# Altium PCB CU-ON-OFF-V2-08-11-18.PcbDoc (part 1 of 14) (continued)
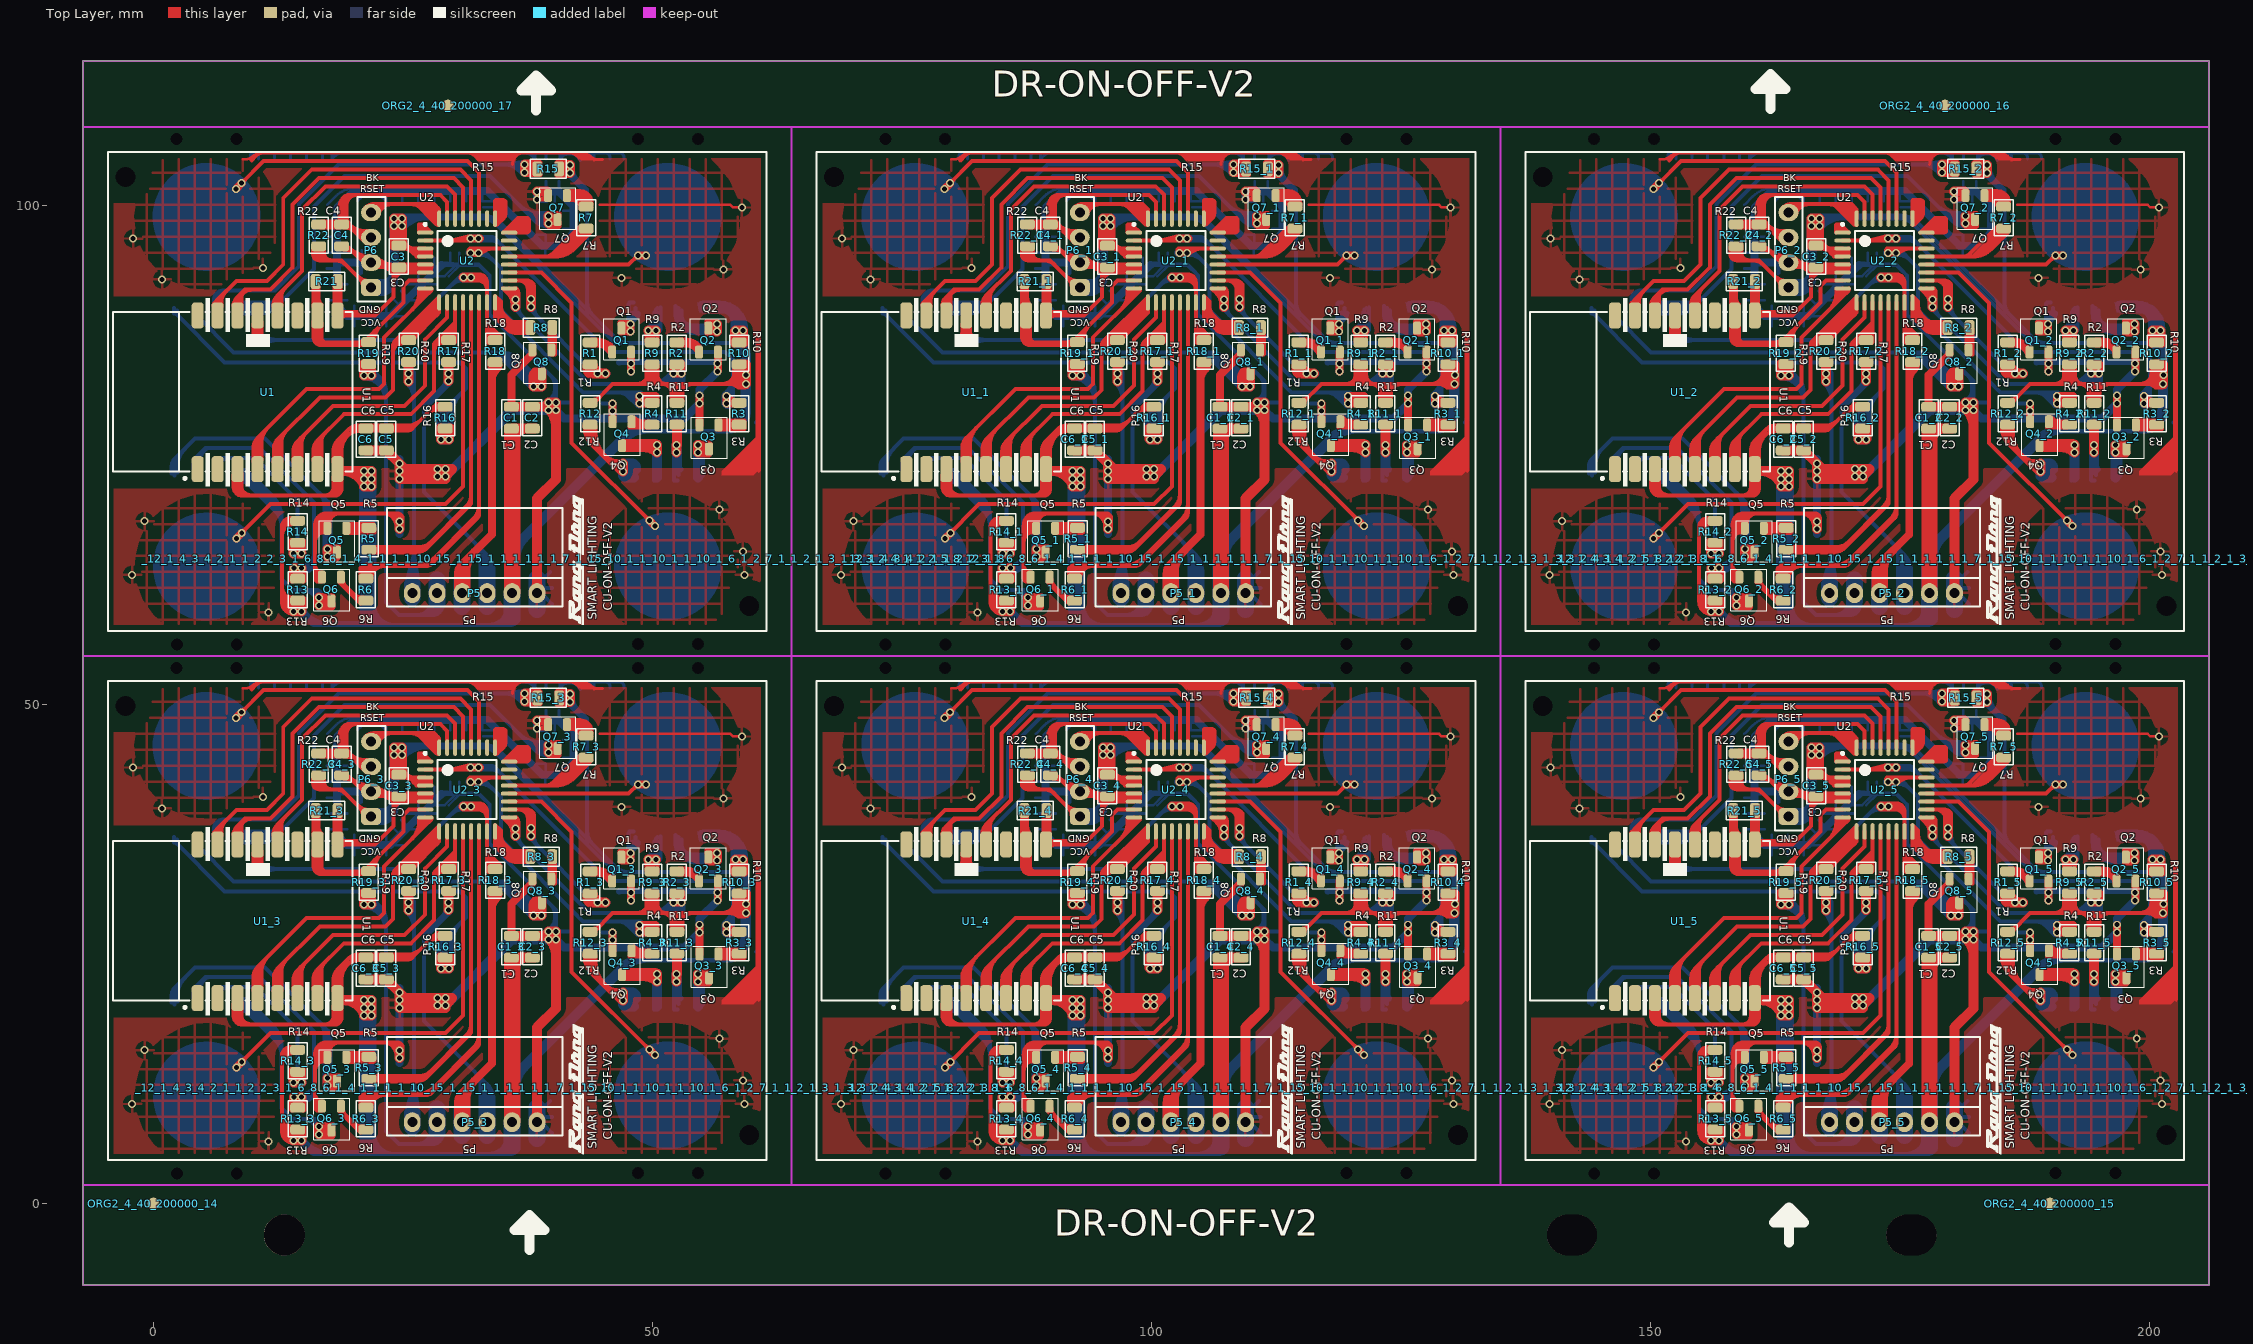
[diagram p0: Top Layer view]
## Components (designator, comment, footprint, x,y, rotation, side; value= is the part's Value field where it differs from the comment) (continued)
R12 "100R" R0805 43.766,79.131 r0 top
R12_1 "100R" R0805 114.766,79.131 r0 top (schematic designator R12)
R12_2 "100R" R0805 185.766,79.131 r0 top (schematic designator R12)
R12_3 "100R" R0805 43.766,26.132 r0 top (schematic designator R12)
R12_4 "100R" R0805 114.766,26.132 r0 top (schematic designator R12)
R12_5 "100R" R0805 185.766,26.132 r0 top (schematic designator R12)
R13 "100R" R0805 14.466,61.506 r180 top
R13_1 "100R" R0805 85.466,61.506 r180 top (schematic designator R13)
R13_2 "100R" R0805 156.466,61.506 r180 top (schematic designator R13)
R13_3 "100R" R0805 14.466,8.507 r180 top (schematic designator R13)
R13_4 "100R" R0805 85.466,8.507 r180 top (schematic designator R13)
R13_5 "100R" R0805 156.466,8.507 r180 top (schematic designator R13)
R14 "100R" R0805 14.466,67.306 r0 top
R14_1 "100R" R0805 85.466,67.306 r0 top (schematic designator R14)
R14_2 "100R" R0805 156.466,67.306 r0 top (schematic designator R14)
R14_3 "100R" R0805 14.466,14.307 r0 top (schematic designator R14)
R14_4 "100R" R0805 85.466,14.307 r0 top (schematic designator R14)
R14_5 "100R" R0805 156.466,14.307 r0 top (schematic designator R14)
R15 "100R" R0805 39.566,103.656 r270 top
R15_1 "100R" R0805 110.566,103.656 r270 top (schematic designator R15)
R15_2 "100R" R0805 181.566,103.656 r270 top (schematic designator R15)
R15_3 "100R" R0805 39.566,50.657 r270 top (schematic designator R15)
R15_4 "100R" R0805 110.566,50.657 r270 top (schematic designator R15)
R15_5 "100R" R0805 181.566,50.657 r270 top (schematic designator R15)
R16 "100R" R0805 29.241,78.731 r0 top
R16_1 "100R" R0805 100.241,78.731 r0 top (schematic designator R16)
R16_2 "100R" R0805 171.241,78.731 r0 top (schematic designator R16)
R16_3 "100R" R0805 29.241,25.732 r0 top (schematic designator R16)
R16_4 "100R" R0805 100.241,25.732 r0 top (schematic designator R16)
R16_5 "100R" R0805 171.241,25.732 r0 top (schematic designator R16)
R17 "2K2" R0805 29.591,85.406 r180 top
R17_1 "2K2" R0805 100.591,85.406 r180 top (schematic designator R17)
R17_2 "2K2" R0805 171.591,85.406 r180 top (schematic designator R17)
R17_3 "2K2" R0805 29.591,32.407 r180 top (schematic designator R17)
R17_4 "2K2" R0805 100.591,32.407 r180 top (schematic designator R17)
R17_5 "2K2" R0805 171.591,32.407 r180 top (schematic designator R17)
R18 "2K2" R0805 34.241,85.406 r180 top
R18_1 "2K2" R0805 105.241,85.406 r180 top (schematic designator R18)
R18_2 "2K2" R0805 176.241,85.406 r180 top (schematic designator R18)
R18_3 "2K2" R0805 34.241,32.407 r180 top (schematic designator R18)
R18_4 "2K2" R0805 105.241,32.407 r180 top (schematic designator R18)
R18_5 "2K2" R0805 176.241,32.407 r180 top (schematic designator R18)
R19 "2K2" R0805 21.566,85.206 r180 top
R19_1 "2K2" R0805 92.566,85.206 r180 top (schematic designator R19)
R19_2 "2K2" R0805 163.566,85.206 r180 top (schematic designator R19)
R19_3 "2K2" R0805 21.566,32.207 r180 top (schematic designator R19)
R19_4 "2K2" R0805 92.566,32.207 r180 top (schematic designator R19)
R19_5 "2K2" R0805 163.566,32.207 r180 top (schematic designator R19)
R20 "2K2" R0805 25.578,85.406 r180 top
R20_1 "2K2" R0805 96.578,85.406 r180 top (schematic designator R20)
R20_2 "2K2" R0805 167.578,85.406 r180 top (schematic designator R20)
R20_3 "2K2" R0805 25.578,32.407 r180 top (schematic designator R20)
R20_4 "2K2" R0805 96.578,32.407 r180 top (schematic designator R20)
R20_5 "2K2" R0805 167.578,32.407 r180 top (schematic designator R20)
R21 "1K" R0805 17.366,92.381 r90 top
R21_1 "1K" R0805 88.366,92.381 r90 top (schematic designator R21)
R21_2 "1K" R0805 159.366,92.381 r90 top (schematic designator R21)
R21_3 "1K" R0805 17.366,39.382 r90 top (schematic designator R21)
R21_4 "1K" R0805 88.366,39.382 r90 top (schematic designator R21)
R21_5 "1K" R0805 159.366,39.382 r90 top (schematic designator R21)
R22 "4K7" R0805 16.566,97.006 r180 top
R22_1 "4K7" R0805 87.566,97.006 r180 top (schematic designator R22)
R22_2 "4K7" R0805 158.566,97.006 r180 top (schematic designator R22)
R22_3 "4K7" R0805 16.566,44.007 r180 top (schematic designator R22)
R22_4 "4K7" R0805 87.566,44.007 r180 top (schematic designator R22)
R22_5 "4K7" R0805 158.566,44.007 r180 top (schematic designator R22)
U1 "TUYA WIFI" "TUYA WIFI" 11.441,81.281 r90 top
U1_1 "TUYA WIFI" "TUYA WIFI" 82.441,81.281 r90 top (schematic designator U1)
U1_2 "TUYA WIFI" "TUYA WIFI" 153.441,81.281 r90 top (schematic designator U1)
U1_3 "TUYA WIFI" "TUYA WIFI" 11.441,28.282 r90 top (schematic designator U1)
U1_4 "TUYA WIFI" "TUYA WIFI" 82.441,28.282 r90 top (schematic designator U1)
U1_5 "TUYA WIFI" "TUYA WIFI" 153.441,28.282 r90 top (schematic designator U1)
U2 "MC9S08PT 16 AVLC" "M9S08PT 16AVLC" 31.441,94.481 r0 top
U2_1 "MC9S08PT 16 AVLC" "M9S08PT 16AVLC" 102.441,94.481 r0 top (schematic designator U2)
U2_2 "MC9S08PT 16 AVLC" "M9S08PT 16AVLC" 173.441,94.481 r0 top (schematic designator U2)
U2_3 "MC9S08PT 16 AVLC" "M9S08PT 16AVLC" 31.441,41.482 r0 top (schematic designator U2)
U2_4 "MC9S08PT 16 AVLC" "M9S08PT 16AVLC" 102.441,41.482 r0 top (schematic designator U2)
U2_5 "MC9S08PT 16 AVLC" "M9S08PT 16AVLC" 173.441,41.482 r0 top (schematic designator U2)

## Footprints (in the part's own frame and the unit in brackets; to place one, negate y for a bottom-side part, rotate by r counter-clockwise, add the part's x,y. Pads: shape width x height; smd on the part's side, far side on the other; paste and mask are expansions set on the pad)
C1815SMD [mm]
  rrect50% 0.8x1.3 smd: 1(0,1.2) 2(-0.95,-1.2) 3(0.95,-1.2)
  silkscreen extent -1.81,-1.97 1.79,2.15
"Jum 4 nho" [mm]
  oval 2x1.7 hole 1: 1(0,3.75) 2(0,1.25) 3(0,-1.25)
  rrect50% 2x1.7 hole 1: 4(0,-3.75)
  silkscreen extent -1.35,-5.18 1.43,5.3
"Jum 6 nam" [mm]
  oval 2x1.7 hole 1: 1(0,6.25) 2(0,3.75) 3(0,1.25) 4(0,-1.25) 5(0,-3.75) 6(0,-6.25)
  silkscreen extent -1.35,-8.8 8.53,8.8
"LED 0805" [mm]
  rrect50% 1.5x1 smd: 1(0,1.1) 2(0,-1.1)
  silkscreen extent -0.95,-2.05 0.95,1.8
"LOGO RD" [mm]
  silkscreen extent -6.62,-1.02 6.39,0.45
"M9S08PT 16AVLC" [mm]
  oval 1.65x0.4 smd: 1(-4.2,2.8) 2(-4.2,2) 3(-4.2,1.2) 4(-4.2,0.4) 5(-4.2,-0.4) 6(-4.2,-1.2) 7(-4.2,-2) 8(-4.2,-2.8) 17(4.2,-2.8) 18(4.2,-2) 19(4.2,-1.2) 20(4.2,-0.4) 21(4.2,0.4) 22(4.2,1.2) 23(4.2,2) 24(4.2,2.8)
  oval 0.4x1.65 smd: 9(-2.8,-4.2) 10(-2,-4.2) 11(-1.2,-4.2) 12(-0.4,-4.2) 13(0.4,-4.2) 14(1.2,-4.2) 15(2,-4.2) 16(2.8,-4.2) 25(2.8,4.2) 26(2,4.2) 27(1.2,4.2) 28(0.4,4.2) 29(-0.4,4.2) 30(-1.2,4.2) 31(-2,4.2) 32(-2.8,4.2)
  silkscreen extent -4.32,-2.95 2.95,3.75, body extent -3.5,-3.5 3.5,3.5, height 1.2
"ORIGIN 1" [mm] "SQUARE 1MM"
  round 1.2 all layers, no hole mask+1: 1(0,0)
R0805 [mm]
  rrect50% 1.5x1 smd: 1(0,1.1) 2(0,-1.1)
  silkscreen extent -0.95,-1.8 0.95,1.8
"tu 0805" [mm]
  rrect50% 1.5x1 smd: 1(0,1.1) 2(0,-1.1)
  silkscreen extent -0.95,-1.8 0.95,1.8
"TUYA WIFI" [mm]
  rrect50% 2.6x1.2 smd: 1(-7.7,7) 2(-7.7,5) 3(-7.7,3) 4(-7.7,1) 5(-7.7,-1) 6(-7.7,-3) 7(-7.7,-5) 8(-7.7,-7) 9(7.7,-7) 10(7.7,-5) 11(7.7,-3) 12(7.7,-1) 13(7.7,1) 14(7.7,3) 15(7.7,5) 16(7.7,7)
  silkscreen extent -8.75,-8.5 8.05,15.5, body extent -7.95,-8.5 8.05,15.5, height 1.2

## Part data
C1 C1_1 C1_2 C1_3 C1_4 C1_5 C2 C2_1 C2_2 C2_3 C2_4 C2_5 C3 C3_1 C3_2 C3_3 C3_4 C3_5 C4 C4_1 C4_2 C4_3 C4_4 C4_5 C5 C5_1 C5_2 C5_3 C5_4 C5_5 C6 C6_1 C6_2 C6_3 C6_4 C6_5: library part Cap, "Capacitor"
D1 D1_1 D1_2 D1_3 D1_4 D1_5 D2 D2_1 D2_2 D2_3 D2_4 D2_5 D3 D3_1 D3_2 D3_3 D3_4 D3_5 D4 D4_1 D4_2 D4_3 D4_4 D4_5 D5 D5_1 D5_2 D5_3 D5_4 D5_5 D6 D6_1 D6_2 D6_3 D6_4 D6_5 D7 D7_1 D7_2 D7_3 D7_4 D7_5 D8 D8_1 D8_2 D8_3 D8_4 D8_5: library part LED0, "Typical INFRARED GaAs LED"
ORG2_4_40_200000_14 ORG2_4_40_200000_15 ORG2_4_40_200000_16 ORG2_4_40_200000_17: library part ORIGIN
P5 P5_1 P5_2 P5_3 P5_4 P5_5: "Header, 6-Pin"
P6 P6_1 P6_2 P6_3 P6_4 P6_5: library part "Header 4", "Header, 4-Pin"
Q1 Q1_1 Q1_2 Q1_3 Q1_4 Q1_5 Q2 Q2_1 Q2_2 Q2_3 Q2_4 Q2_5 Q3 Q3_1 Q3_2 Q3_3 Q3_4 Q3_5 Q4 Q4_1 Q4_2 Q4_3 Q4_4 Q4_5 Q5 Q5_1 Q5_2 Q5_3 Q5_4 Q5_5 Q6 Q6_1 Q6_2 Q6_3 Q6_4 Q6_5 Q7 Q7_1 Q7_2 Q7_3 Q7_4 Q7_5 Q8 Q8_1 Q8_2 Q8_3 Q8_4 Q8_5: library part npn, "NPN Bipolar Transistor"
R1 R1_1 R1_2 R1_3 R1_4 R1_5 R2 R2_1 R2_2 R2_3 R2_4 R2_5 R3 R3_1 R3_2 R3_3 R3_4 R3_5 R4 R4_1 R4_2 R4_3 R4_4 R4_5 R5 R5_1 R5_2 R5_3 R5_4 R5_5 R6 R6_1 R6_2 R6_3 R6_4 R6_5 R7 R7_1 R7_2 R7_3 R7_4 R7_5 R8 R8_1 R8_2 R8_3 R8_4 R8_5 R9 R9_1 R9_2 R9_3 R9_4 R9_5 R10 R10_1 R10_2 R10_3 R10_4 R10_5 R11 R11_1 R11_2 R11_3 R11_4 R11_5 R12 R12_1 R12_2 R12_3 R12_4 R12_5 R13 R13_1 R13_2 R13_3 R13_4 R13_5 R14 R14_1 R14_2 R14_3 R14_4 R14_5 R15 R15_1 R15_2 R15_3 R15_4 R15_5 R16 R16_1 R16_2 R16_3 R16_4 R16_5 R17 R17_1 R17_2 R17_3 R17_4 R17_5 R18 R18_1 R18_2 R18_3 R18_4 R18_5 R19 R19_1 R19_2 R19_3 R19_4 R19_5 R20 R20_1 R20_2 R20_3 R20_4 R20_5 R21 R21_1 R21_2 R21_3 R21_4 R21_5 R22 R22_1 R22_2 R22_3 R22_4 R22_5: library part Res, "Resistor"
U2 U2_1 U2_2 U2_3 U2_4 U2_5: library part "M9S08PT 16AVLC"

## Free pads (board coordinates)
  round 4.1 hole 4.1: 0(13.125,-3.149)
  oval 5x4 hole 4.1 slot 5 at 0 deg: 0(142.125,-3.149) 0(176.125,-3.149)
  round 0 hole 2: 1(59.7,6.851) 1(59.7,59.85) 1(130.7,6.851) 1(130.7,59.85) 1(201.7,6.851) 1(201.7,59.85) 4(-2.8,49.851) 4(-2.8,102.85) 4(68.2,49.851) 4(68.2,102.85) 4(139.2,49.851) 4(139.2,102.85)
  rrect50% 0x0 hole 1.2 mask+0.127: 5(2.333,53.65) 5(2.333,106.649) 5(8.358,3.025) 5(8.358,56.024) 5(48.558,53.65) 5(48.558,106.649) 5(54.558,3.05) 5(54.558,56.049) 5(73.333,53.65) 5(73.333,106.649) 5(79.358,3.025) 5(79.358,56.024) 5(119.558,53.65) 5(119.558,106.649) 5(125.558,3.05) 5(125.558,56.049) 5(144.333,53.65) 5(144.333,106.649) 5(150.358,3.025) 5(150.358,56.024) 5(190.558,53.65) 5(190.558,106.649) 5(196.558,3.05) 5(196.558,56.049) 6(2.358,3.025) 6(2.358,56.024) 6(8.333,53.65) 6(8.333,106.649) 6(48.558,3.05) 6(48.558,56.049) 6(54.558,53.65) 6(54.558,106.649) 6(73.358,3.025) 6(73.358,56.024) 6(79.333,53.65) 6(79.333,106.649) 6(119.558,3.05) 6(119.558,56.049) 6(125.558,53.65) 6(125.558,106.649) 6(144.358,3.025) 6(144.358,56.024) 6(150.333,53.65) 6(150.333,106.649) 6(190.558,3.05) 6(190.558,56.049) 6(196.558,53.65) 6(196.558,106.649)

## Via types
v1: diameter 0.8, hole 0.5, Top Layer to Bottom Layer, 702 vias

## Nets (pads, with @x,y where several pads share a name; then routed paths per layer and width w, separated by ;. In a path a pad name is that pad's centre, name@x,y a point inside that pad or via, vN(x,y) a via of type N, cw(c..) or ccw(c..) an arc to the next point about the centre after c; other vN are vias at no path point)
BKGD: P6.1 U2.32 | length 12.2
  Top Layer w0.4: P6.1@21.577,99.67 cw(c22.69,98.557) 22.69,100.131 ; P6.1@21.591,99.681 22.041,100.131 28.116,100.131 28.641,99.606 U2.32@28.641,98.681 ; P6.1@21.86,99.387 cw(c23.656,97.591) 23.656,100.131 ; 28.429,99.818 cw(c27.917,99.306) U2.32@28.641,99.306
BT1: U1.6 U2.10 | length 28.7
  Top Layer w0.4: U1.6@14.158,74.564 ccw(c13.475,75.247) 14.441,75.247 ccw(c15.407,75.247) U1.6@14.724,74.564 ; U1.6@14.691,73.581 14.441,73.831 14.441,76.356 18.008,79.923 25.183,79.923 27.241,81.981 27.241,86.581 29.441,88.781 U2.10@29.441,90.281
BT2: U1.15 U2.28 | length 41.9
  Top Layer w0.4: U1.15@6.179,89.984 ccw(c5.684,90.556) 6.441,90.556 ; U1.15@6.691,88.981 6.441,89.231 6.441,90.556 ; U1.15@6.703,89.984 cw(c7.198,90.556) 6.441,90.556 ; U2.28@31.841,98.681 31.841,102.506 30.761,103.586 15.871,103.586 13.016,100.731 13.016,94.081 11.366,92.431 8.316,92.431 6.441,90.556
BT3: U1.14 U2.29 | length 38.2
  Top Layer w0.4: U1.14@8.158,89.964 ccw(c7.475,90.647) 8.441,90.647 ccw(c9.407,90.647) U1.14@8.724,89.964 ; U1.14@8.691,88.981 8.441,89.231 8.441,90.806 9.191,91.556 11.716,91.556 13.966,93.806 13.966,100.106 16.601,102.741 30.106,102.741 31.041,101.806 U2.29@31.041,98.681
BT4: U1.4 U2.8 | length 30.9
  Top Layer w0.4: U1.4@10.158,74.564 ccw(c9.475,75.247) 10.441,75.247 ccw(c11.407,75.247) U1.4@10.724,74.564 ; U1.4@10.691,73.581 10.441,73.831 10.441,76.681 15.366,81.606 22.616,81.606 23.116,82.106 23.116,86.756 27.241,90.881 U2.8@27.241,91.681
CT1: R17.2 U1.7 U2.11 | length 29.9
  Top Layer w0.4: U1.7@16.158,74.564 ccw(c15.475,75.247) 16.441,75.247 ccw(c17.407,75.247) U1.7@16.724,74.564 ; U1.7@16.691,73.581 16.441,73.831 16.441,76.431 19.091,79.081 25.791,79.081 28.116,81.406 28.116,85.956 28.591,86.431 ; 28.798,86.431 cw(c28.798,85.963) R17.2@29.129,86.294 ; R17.2@28.966,86.431 28.591,86.431 ; R17.2@29.101,86.686 cw(c28.591,87.068) 28.591,86.431 ; R17.2@29.379,86.718 ccw(c28.867,87.23) 29.591,87.23 ccw(c30.315,87.23) R17.2@29.803,86.718 ; R17.2@29.591,86.506 29.591,87.631 30.241,88.281 U2.11@30.241,90.281
CT2: R18.2 U1.13 U2.15 | length 45.6
  Top Layer w0.4: v1@9.9,86.647 ccw(c8.592,87.955) U1.13@10.441,87.955 ; U1.13@10.158,87.998 cw(c9.475,87.315) 10.441,87.315 cw(c11.407,87.315) U1.13@10.724,87.998 ; v1@10.182,86.365 ccw(c9.558,86.989) 10.441,86.989 ; v1@10.222,86.442 cw(c10.694,86.198) v1@10.89,86.692 ; v1@10.416,86.481 10.441,86.456 U1.13@10.441,88.981 ; 10.441,86.928 ccw(c11.238,86.928) v1@10.675,86.365 ; U1.13@10.441,87.894 ccw(c12.204,87.894) v1@10.957,86.647 ; v1(31.066,92.781) v1(31.841,92.781) 32.941,92.781 33.441,92.281 U2.15@33.441,90.281 33.441,88.206 34.241,87.406 R18.2@34.241,86.306 ; v1@31.207,92.64 cw(c31.549,92.298) 31.549,92.781 cw(c31.549,93.264) v1@31.207,92.922 ; v1@31.228,92.663 cw(c31.414,92.528) v1@31.473,92.75 ; v1@31.228,92.899 ccw(c31.414,93.034) v1@31.473,92.812 ; v1@31.7,92.64 ccw(c31.358,92.298) 31.358,92.781 ccw(c31.358,93.264) v1@31.7,92.922 ; v1@31.982,92.64 cw(c32.324,92.298) 32.324,92.781 cw(c32.324,93.264) v1@31.982,92.922 ; R18.2@34.029,86.718 ccw(c33.517,87.23) 34.241,87.23 ccw(c34.965,87.23) R18.2@34.453,86.718
  Bottom Layer w0.4: v1@10.666,86.506 24.366,86.506 30.641,92.781 v1(31.066,92.781) ; v1@10.957,86.365 cw(c11.299,86.023) 11.299,86.506 cw(c11.299,86.989) v1@10.957,86.647
  other v1: 10.041,86.506 10.816,86.506
CT3: R19.2 R21.1 U1.10 U2.7 | length 29.5
  Top Layer w0.4: R21.1@16.054,91.919 cw(c15.542,91.407) 16.266,91.407 cw(c16.99,91.407) R21.1@16.478,91.919 ; 16.266,86.893 cw(c17.829,86.893) U1.10@16.724,87.998 ; 16.266,91.069 ccw(c17.829,91.069) U1.10@16.724,89.964 ; R21.1@16.266,91.731 16.266,86.656 16.891,86.031 20.791,86.031 ; 19.928,86.031 ccw(c19.928,87.694) R19.2@21.104,86.518 ; R19.2@20.894,86.031 ccw(c20.894,86.728) R19.2@21.387,86.235 ; R19.2@21.143,86.061 ccw(c20.985,85.837) 20.791,86.031 ; R19.2@21.316,86.306 cw(c21.919,86.306) R19.2@21.493,86.733 ; R19.2@21.716,86.306 cw(c23.285,86.306) 22.176,87.416 ; R19.2@22.116,86.306 cw(c24.651,86.306) 22.858,88.098 ; U2.7@27.241,92.481 25.591,92.481 25.041,91.931 25.041,90.281 20.791,86.031
CT4: R20.2 U1.5 U2.9 | length 32.2
  Top Layer w0.4: U1.5@12.158,74.564 ccw(c11.475,75.247) 12.441,75.247 ccw(c13.407,75.247) U1.5@12.724,74.564 ; U1.5@12.691,73.581 12.441,73.831 12.441,76.531 16.674,80.764 23.249,80.764 24.016,81.531 24.016,85.931 24.491,86.406 ; R20.2@25.095,86.695 cw(c24.491,87.183) 24.491,86.406 ; R20.2@25.828,86.806 ccw(c25.828,87.681) 26.447,87.062 ; R20.2@26.128,86.506 cw(c26.702,86.506) 26.296,86.911 ; 28.358,88.973 ccw(c27.675,89.656) U2.9@28.641,89.656 ; U2.9@28.641,90.281 28.641,89.256 25.791,86.406 24.491,86.406
GND: C1.1 C2.1 C3.2 C4.2 C5.2 C6.2 P5.6 P6.3 Q1.3 Q2.3 Q3.3 Q4.3 Q5.3 Q6.3 Q7.3 Q8.3 R21.2 U1.9 U2.5 U2.6 | length 359.7
  Top Layer w0.4: 16.603,67.418 cw(c17.187,66.834) Q5.3@17.522,67.589 ; Q6.3@16.875,63.205 cw(c16.803,64.068) 16.191,63.456 ; Q6.3@16.891,62.756 16.191,63.456 ; Q5.3@17.36,67.223 ccw(c16.934,66.263) 16.191,67.006 ; U1.9@18.158,89.964 ccw(c17.415,90.707) 18.466,90.707 ; R21.2@18.254,91.919 cw(c17.742,91.407) 18.466,91.407 cw(c19.19,91.407) R21.2@18.678,91.919 ; U1.9@18.441,88.981 18.943,89.348 21.988,89.348 ccw(c21.988,90.784) 22.991,89.756 ccw(c21.988,90.784) 23.003,89.769 ; 18.466,90.586 ccw(c19.346,90.586) U1.9@18.724,89.964 ; R21.2@18.466,92.381 18.466,88.981 22.216,88.981 23.003,89.769 ; U1.9@18.724,88.698 cw(c19.407,88.015) 19.407,88.981 cw(c19.407,89.947) U1.9@18.724,89.264 ; C4.2@19.116,95.606 cw(c19.116,94.037) 20.226,95.146 ; C4.2@19.141,95.906 19.466,95.906 21.691,93.681 P6.3@21.816,94.281 ; C4.2@19.575,95.797 ccw(c21.666,97.888) P6.3@21.666,94.931 ; 20.258,95.114 ccw(c21.666,96.523) P6.3@21.666,94.531 ; P6.3@21.741,94.056 24.116,94.056 C3.2@24.591,93.781 ; C6.2@21.753,75.244 cw(c22.084,74.913) 22.084,75.381 ; C6.2@21.753,75.668 ccw(c22.446,76.361) 22.446,75.381 ; P6.3@22.143,94.458 ccw(c23.113,95.428) 23.113,94.056 ; 22.186,75.381 ccw(c22.186,76.361) C5.2@22.879,75.668 ; P6.3@22.424,93.832 cw(c22.703,92.193) 24.131,93.045 ; P6.3@22.426,93.821 cw(c22.992,93.255) 22.992,94.056 ; P6.3@22.426,94.741 ccw(c24.078,96.393) C3.2@24.078,94.056 ; 22.548,75.381 cw(c22.548,74.913) C5.2@22.879,75.244 ; 22.953,94.056 cw(c22.953,92.393) C3.2@24.129,93.569 ; C3.2@23.918,94.056 cw(c23.918,93.358) C3.2@24.412,93.852 ; 24.066,92.393 cw(c25.729,92.393) C3.2@24.553,93.569 ; C3.2@24.066,93.359 cw(c24.763,93.359) C3.2@24.27,93.852 ; 24.165,69.082 cw(c23.44,68.356) 24.466,68.356 23.666,69.156 ; C3.2@24.241,93.706 24.616,94.081 U2.5@27.241,94.081 ; v1@24.525,67.722 ccw(c24.183,68.064) 24.666,68.064 ccw(c25.149,68.064) v1@24.807,67.722 ; v1@24.525,68.215 cw(c24.183,67.873) 24.666,67.873 cw(c25.149,67.873) v1@24.807,68.215 ; v1@24.525,72.747 ccw(c24.183,73.089) 24.666,73.089 ccw(c25.149,73.089) v1@24.807,72.747 ; v1@24.525,73.522 ccw(c24.183,73.864) 24.666,73.864 ccw(c25.149,73.864) 24.807,73.522 ccw(c26.356,75.071) 26.356,72.881 ; v1@24.525,74.015 cw(c24.183,73.673) 24.666,73.673 cw(c25.149,73.673) v1@24.807,74.015 ; v1@24.548,68.194 cw(c24.413,68.008) v1@24.635,67.949 ; v1@24.548,73.994 cw(c24.413,73.808) v1@24.635,73.749 ; v1(24.666,68.356) 24.666,68.581 24.091,69.156 ; v1(24.666,72.606) v1@24.666,72.881 ; v1(24.666,73.381) v1@24.891,73.606 ; v1@24.695,73.13 cw(c24.445,72.743) v1@24.836,72.501 ; v1@24.697,67.949 cw(c24.919,68.008) v1@24.784,68.194 ; v1@24.697,73.749 cw(c24.919,73.808) v1@24.784,73.994 ; v1@24.733,72.831 v1@28.391,72.831 ; C3.2@24.77,93.852 cw(c25.324,93.298) C3.2@25.324,94.081 ; v1@24.807,72.465 cw(c25.813,71.459) 25.813,72.881 ; v1@24.953,68.619 24.416,69.156 24.091,69.156 ; 25.216,73.606 25.846,72.976 ; 25.39,72.881 cw(c25.39,74.105) v1@24.525,73.24 ; 26.29,94.081 ccw(c26.29,92.332) 25.053,93.569 26.212,93.574 ; 27.24,93.578 26.212,93.574 ; U2.6@27.841,93.306 27.865,94.061 27.866,94.081 U2.5@27.241,94.081 ; 27.841,93.831 27.496,93.826 ; 27.887,72.881 cw(c27.887,72.227) v1@28.35,72.69 ; v1@28.166,72.606 v1@28.391,72.831 ; v1@28.441,73.556 v1(28.491,73.606) ; C1.1@35.654,80.043 ccw(c35.142,80.555) 35.866,80.555 ccw(c36.59,80.555) C1.1@36.078,80.043 ; C1.1@36.328,79.619 cw(c36.84,79.107) 36.84,79.831 cw(c36.84,80.555) C1.1@36.328,80.043 ; 37.501,84.641 ccw(c36.861,85.281) Q8.3@37.766,85.281 ; C2.1@37.504,79.619 ccw(c36.992,79.107) 36.992,79.831 ccw(c36.992,80.555) C2.1@37.504,80.043 ; Q8.3@37.966,85.106 Q8.3@37.966,85.531 ; P5.6@37.981,61.766 ccw(c36.872,62.875) 38.441,62.875 ccw(c40.01,62.875) P5.6@38.901,61.766 ; C2.1@38.057,79.831 ccw(c38.057,81.765) v1@39.425,80.397 ; C2.1@38.238,79.831 cw(c38.238,78.153) 39.425,79.34 cw(c37.876,77.791) 40.066,77.791 ; v1(38.416,100.606) 39.691,100.606 39.541,100.756 Q7.3@39.541,100.981 ; C2.1@38.428,79.619 cw(c38.94,79.107) 38.94,79.831 cw(c38.94,80.555) C2.1@38.428,80.043 ; v1@38.525,100.774 ccw(c38.89,101.336) 39.064,100.688 ; v1@38.557,100.465 cw(c38.899,100.123) 38.899,100.606 cw(c38.899,101.089) v1@38.557,100.747 ; v1@38.756,100.606 ccw(c38.756,101.516) Q7.3@39.4,100.872 ; 39.023,79.831 ccw(c39.023,80.799) v1@39.707,80.115 ; 39.204,79.831 cw(c39.204,79.119) 39.707,79.622 cw(c38.842,78.757) 40.066,78.757 ; v1@39.369,80.289 ccw(c39.887,80.203) v1@39.515,79.832 ; v1@39.679,79.316 cw(c39.852,79.067) 40.066,79.281 cw(c40.832,80.047) v1@39.763,80.223 ; 40.066,78.334 cw(c41.488,78.334) v1@40.482,79.34 ; v1@40.27,79.668 cw(c40.019,80.334) v1@39.516,79.831 ; 40.341,79.006 v1@39.516,79.831 ; v1@45.867,79.258 cw(c45.506,78.897) Q4.3@46.016,78.897 ; v1@45.867,79.54 ccw(c45.506,79.901) v1@46.016,79.901 ; v1@45.867,80.033 cw(c45.506,79.672) v1@46.016,79.672 ; Q4.3@45.875,78.722 ccw(c45.533,79.064) 46.016,79.064 ccw(c46.499,79.064) Q4.3@46.157,78.722 ; v1@45.898,79.232 cw(c45.772,79.04) Q4.3@45.994,78.981 ; v1(46.008,80.174) v1@46.016,80.166 ; Q4.3@46.016,78.936 cw(c46.471,78.936) v1@46.149,79.258 ; v1@46.016,79.711 cw(c46.471,79.711) v1@46.149,80.033 ; v1@46.016,79.862 ccw(c46.471,79.862) v1@46.149,79.54 ; v1@46.044,79.757 cw(c46.284,79.821) v1@46.131,80.016 ; Q4.3@46.045,78.955 cw(c46.32,79.028) v1@46.137,79.246 ; v1@47.717,83.515 ccw(c47.356,83.876) v1@47.866,83.876 ; v1@47.717,84.008 cw(c47.356,83.647) v1@47.866,83.647 ; v1@47.717,84.29 ccw(c47.356,84.651) 47.866,84.651 ; Q1.3@47.725,84.915 cw(c47.383,84.573) 47.866,84.573 cw(c48.349,84.573) Q1.3@48.007,84.915 ; v1@47.866,83.685 cw(c48.322,83.685) v1@47.999,84.008 ; v1@47.866,83.838 ccw(c48.322,83.838) v1@47.999,83.515 ; 47.866,84.613 ccw(c48.322,84.613) v1@47.999,84.29 ; v1@47.894,83.791 ccw(c48.134,83.727) v1@47.981,83.532 ; Q3.3@54.575,78.397 ccw(c54.233,78.739) 54.716,78.739 ccw(c55.199,78.739) Q3.3@54.857,78.397 ; v1@54.579,80.019 cw(c54.247,79.687) 54.716,79.687 ; v1@54.579,80.302 ccw(c54.247,80.634) v1@54.716,80.634 ; v1@54.579,80.794 cw(c54.247,80.462) v1@54.716,80.462 ; v1@54.6,80.776 cw(c54.456,80.585) v1@54.686,80.523 ; 54.716,79.668 cw(c55.212,79.668) v1@54.861,80.019 ; v1@54.716,80.443 cw(c55.212,80.443) v1@54.861,80.794 ; v1@54.716,80.653 ccw(c55.212,80.653) v1@54.861,80.302 ; v1@54.716,80.932 v1(54.72,80.936) ; v1@56.404,83.515 ccw(c56.012,83.908) v1@56.566,83.908 ; v1@56.404,84.008 cw(c56.012,83.616) v1@56.566,83.616 ; v1@56.404,84.29 ccw(c56.012,84.683) Q2.3@56.566,84.683 ; Q2.3@56.425,84.915 cw(c56.083,84.573) 56.566,84.573 cw(c57.049,84.573) Q2.3@56.707,84.915 ; v1(56.545,83.374) v1@56.566,83.395 ; v1@56.566,83.717 cw(c56.977,83.717) v1@56.686,84.008 ; v1@56.566,83.806 ccw(c56.977,83.806) v1@56.686,83.515 ; 56.566,84.581 ccw(c56.977,84.581) v1@56.686,84.29 ; v1@56.59,83.715 cw(c56.861,83.788) v1@56.677,83.998 ; 16.191,63.456 16.191,67.006 ; 16.191,67.006 17.216,68.031 17.466,68.031 17.466,68.806 17.816,69.156 23.666,69.156 ; 23.003,89.769 24.066,90.831 24.066,92.161 ; 23.666,69.156 24.091,69.156 ; 24.066,92.161 cw(c25.261,92.161) 24.416,93.006 cw(c25.08,92.342) 25.08,93.281 U2.6@27.241,93.281 U2.6@27.241,93.414 ; 24.066,92.161 24.066,93.681 C3.2@24.591,93.781 ; v1@24.525,73.24 cw(c24.183,72.898) v1@24.666,72.898 ; v1@24.525,73.24 cw(c24.183,72.898) v1@24.666,72.898 ; v1@24.525,73.24 cw(c24.183,72.898) v1@24.666,72.898 ; v1@24.525,73.24 cw(c24.183,72.898) v1@24.666,72.898 ; v1@24.525,73.24 cw(c24.183,72.898) v1@24.666,72.898 ; v1@24.548,72.768 ccw(c24.413,72.954) v1@24.635,73.013 ; v1@24.548,72.768 ccw(c24.413,72.954) v1@24.635,73.013 ; v1@24.548,72.768 ccw(c24.413,72.954) v1@24.635,73.013 ; v1@24.548,72.768 ccw(c24.413,72.954) v1@24.635,73.013 ; v1@24.548,72.768 ccw(c24.413,72.954) v1@24.635,73.013 ; C3.2@24.591,93.781 27.306,93.781 ; C3.2@24.591,93.781 25.064,93.752 26.212,93.574 ; v1@24.666,72.898 cw(c25.149,72.898) v1@24.807,73.24 ; v1@24.666,72.898 cw(c25.149,72.898) v1@24.807,73.24 ; v1@24.666,72.898 cw(c25.149,72.898) v1@24.807,73.24 ; v1@24.666,72.898 cw(c25.149,72.898) v1@24.807,73.24 ; v1@24.666,72.898 cw(c25.149,72.898) v1@24.807,73.24 ; v1@24.697,73.013 ccw(c24.919,72.954) v1@24.784,72.768 ; v1@24.697,73.013 ccw(c24.919,72.954) v1@24.784,72.768 ; v1@24.697,73.013 ccw(c24.919,72.954) v1@24.784,72.768 ; v1@24.697,73.013 ccw(c24.919,72.954) v1@24.784,72.768 ; v1@24.697,73.013 ccw(c24.919,72.954) v1@24.784,72.768 ; 26.212,93.574 U2.6@27.241,93.414 ; U2.6@27.241,93.414 27.261,93.411 U2.6@27.641,93.352 ; U2.6@27.241,93.414 27.241,93.578 27.368,93.506 U2.6@27.641,93.352 ; U2.5@27.241,94.081 27.496,93.826 ; 27.306,93.781 27.541,93.781 27.496,93.826 ; 27.306,93.781 27.492,93.656 27.641,93.556 U2.6@27.641,93.352 ; 27.306,93.781 27.245,93.822 27.496,93.826 ; v1@28.391,72.831 28.441,72.881 v1(28.491,72.831) v1@28.391,72.831
  Top Layer w0.8: C1.1@35.866,79.831 35.866,83.006 Q8.3@37.966,85.106 ; Q4.3@46.016,78.331 v1@46.016,80.166 ; v1(47.858,83.374) v1(47.858,84.149) Q1.3@47.858,85.298 ; Q3.3@54.716,78.006 54.716,79.379 v1@54.716,80.932 ; v1@56.566,83.395 Q2.3@56.566,85.306
  Top Layer w1: C6.2@21.291,75.456 C5.2@23.341,75.456 v1(24.666,74.156) ; v1(24.666,67.581) v1(24.666,68.356) ; v1(24.666,72.606) v1@28.166,72.606 ; v1@24.666,72.881 v1(24.666,73.381) v1(24.666,74.156) ; v1@24.891,73.606 25.216,73.606 ; v1@28.441,72.881 v1@28.441,73.556 ; v1(28.491,72.831) v1(29.266,72.831) 29.65,73.272 29.941,73.606 v1(29.266,73.606) v1(28.491,73.606) 25.216,73.606 ; C1.1@35.866,79.831 C2.1@37.966,79.831 v1@39.516,79.831 ; v1(38.416,101.381) Q7.3@39.441,101.381 ; P5.6@38.441,61.156 38.441,70.656 40.341,72.556 40.341,79.006 ; v1(39.566,80.256) v1(40.341,80.256) v1(40.341,79.481) 40.341,79.006 ; 40.341,78.956 40.341,79.006 ; v1(24.666,74.156) 25.216,73.606
  Bottom Layer w0.254: 37.312,105.205 cw(c37.209,104.06) 38.244,104.563 ; 40.777,104.654 cw(c41.722,104) 42.757,104.503
  Bottom Layer w0.3: 38.225,104.65 38.225,105.165 ; 40.75,104.65 40.75,105.175
  Bottom Layer w0.4: v1@28.632,72.69 cw(c28.974,72.348) 28.974,72.831 cw(c28.974,73.314) v1@28.632,72.972 ; v1@28.653,72.713 cw(c28.839,72.578) v1@28.898,72.8 ; v1@28.653,72.949 ccw(c28.839,73.084) v1@28.898,72.862 ; 28.891,94.056 32.616,94.056 33.666,93.006 33.666,89.081 40.341,82.406 v1(40.341,80.256) v1(40.341,79.481) ; v1@29.125,72.69 ccw(c28.783,72.348) 28.783,72.831 ccw(c28.783,73.314) 29.125,72.972 ccw(c28.783,73.314) 29.266,73.314 ccw(c29.749,73.314) v1@29.407,72.972 ; v1@29.125,73.465 cw(c28.783,73.123) 29.266,73.123 cw(c29.749,73.123) v1@29.407,73.465 ; v1@29.148,73.444 cw(c29.013,73.258) v1@29.235,73.199 ; v1(29.266,72.831) 29.941,73.606 ; v1@29.297,73.199 cw(c29.519,73.258) v1@29.384,73.444 ; P5.6@38.566,61.681 39.916,61.681 ; v1(47.858,84.149) 47.971,84.262 56.432,84.262 v1(56.545,84.149)
  Bottom Layer w0.8: P6.3@21.816,94.281 18.491,94.281 18.391,94.381 ; 24.666,67.106 v1(24.666,67.581) v1(24.666,68.356) v1(24.666,72.606) v1(24.666,73.381) 24.666,74.606 ; 28.891,94.056 23.741,88.906 19.416,88.906 18.391,89.931 18.391,94.381 ; v1(38.416,100.606) v1(38.416,101.381) 40.641,101.381 42.116,99.906 42.116,97.231 40.841,95.956 38.966,95.956 33.491,101.431 20.066,101.431 18.391,99.756 18.391,94.381 ; v1(40.341,79.481) 41.166,78.656 53.215,78.656 v1(54.72,80.161) v1(54.72,80.936) 54.72,81.549 v1(56.545,83.374) v1(56.545,84.149) ; 46.008,78.673 v1(46.008,79.399) v1(46.008,80.174) ; v1(47.858,83.374) v1(47.858,84.149)
  Bottom Layer w1: 29.941,73.606 v1(29.266,73.606) v1(28.491,73.606) v1(28.491,72.831) v1(29.266,72.831) 35.916,79.481 v1(39.566,79.481) ; v1(40.341,79.481) v1(39.566,79.481) ; v1(40.341,80.256) v1(39.566,80.256) v1(39.566,79.481)
  Bottom Layer w1.7: 38.441,59.531 P5.6@38.441,61.156 38.441,62.631
"LED D1": R1.2 U2.18 | length 27.8
  Top Layer w0.4: U2.18@35.641,92.481 37.291,92.481 37.816,91.956 v1(37.816,89.831) ; v1@37.675,89.972 ccw(c37.333,90.314) 37.816,90.314 ccw(c38.299,90.314) v1@37.957,89.972 ; v1@37.675,90.465 cw(c37.333,90.123) 37.816,90.123 cw(c38.299,90.123) v1@37.957,90.465 ; v1@37.675,90.747 ccw(c37.333,91.089) 37.816,91.089 ccw(c38.299,91.089) v1@37.957,90.747 ; v1@37.698,89.993 ccw(c37.563,90.179) v1@37.785,90.238 ; v1@37.847,90.238 ccw(c38.069,90.179) v1@37.934,89.993 ; R1.2@43.613,83.823 cw(c43.453,83.554) 43.766,83.554 ; R1.2@43.766,84.081 43.766,83.554 ; R1.2@43.919,83.823 ccw(c44.079,83.554) 43.766,83.554 ; v1@44.158,83.162 43.766,83.554 ; v1@44.466,83.363 cw(c44.284,84.072) 43.766,83.554
  Bottom Layer w0.4: v1@37.675,89.972 ccw(c37.333,90.314) 37.816,90.314 ccw(c38.299,90.314) v1@37.957,89.972 ; v1@37.675,90.465 cw(c37.333,90.123) 37.816,90.123 cw(c38.299,90.123) v1@37.957,90.465 ; v1@37.698,89.993 ccw(c37.563,90.179) v1@37.785,90.238 ; v1(37.816,90.606) 37.816,89.506 44.158,83.164 v1@44.158,83.162 ; v1@37.847,90.238 ccw(c38.069,90.179) v1@37.934,89.993 ; v1@38.016,89.831 ccw(c39.283,89.831) 38.387,88.935 ; 43.555,83.767 ccw(c44.516,84.728) v1@44.516,83.369 ; v1(44.516,83.169) v1(45.291,83.169) ; v1@44.657,83.028 cw(c44.999,82.686) 44.999,83.169 cw(c44.999,83.652) v1@44.657,83.31 ; v1@44.884,83.138 cw(c44.943,82.916) v1@45.129,83.051 ; v1@44.884,83.2 ccw(c44.943,83.422) v1@45.129,83.287 ; v1@45.149,83.028 ccw(c44.808,82.686) 44.808,83.169 ccw(c44.808,83.652) v1@45.149,83.31
  Bottom Layer w0.8: v1(44.516,83.169) v1@45.416,83.181
"LED D2": R4.2 U2.22 | length 42.9
  Top Layer w0.4: v1@31.791,95.271 32.566,95.271 32.976,95.681 U2.22@35.641,95.681 ; v1@31.932,95.105 cw(c32.334,94.703) v1@32.334,95.271 ; v1@31.932,95.387 ccw(c32.213,95.668) v1@32.213,95.271 ; v1@32.023,95.271 cw(c32.023,94.703) v1@32.425,95.105 ; v1@32.127,95.294 ccw(c32.202,95.575) v1@32.418,95.38 ; v1@32.144,95.271 ccw(c32.144,95.668) 32.425,95.387 cw(c33.133,94.679) 33.133,95.681 ; v1@32.566,95.446 ccw(c32.566,95.868) 32.865,95.57 ; v1@32.707,95.105 cw(c34.099,93.713) 34.099,95.681 ; v1@32.766,95.246 cw(c33.309,95.246) 32.925,95.63 ; v1(48.695,80.137) 48.788,80.231 R4.2@49.966,80.231 ; v1@48.795,80.311 ccw(c49.013,80.689) 49.126,80.267 ; v1@48.836,79.996 cw(c49.403,79.429) R4.2@49.403,80.231 ; v1@48.868,80.037 cw(c49.326,79.773) 49.189,80.284 ; R4.2@49.504,80.019 ccw(c48.992,79.507) 48.992,80.231 ccw(c48.992,80.955) R4.2@49.504,80.443
  Bottom Layer w0.4: v1(31.791,95.246) 33.301,95.246 34.816,93.731 34.816,89.506 43.048,81.274 48.333,81.274 v1(48.695,80.913) ; v1@31.932,95.105 cw(c32.274,94.763) 32.274,95.246 cw(c32.274,95.729) v1@31.932,95.387 ; v1@32.159,95.215 cw(c32.218,94.993) v1@32.404,95.128 ; v1@32.159,95.277 ccw(c32.218,95.499) v1@32.404,95.364 ; v1@32.425,95.105 ccw(c32.083,94.763) 32.083,95.246 ccw(c32.083,95.729) v1@32.425,95.387 ; v1@32.707,95.105 cw(c33.049,94.763) 33.049,95.246 cw(c33.049,95.729) v1@32.707,95.387 ; 47.339,81.274 cw(c47.339,79.557) v1@48.553,80.771 ; 48.305,81.274 cw(c48.305,80.523) v1@48.836,81.054
  other v1: 32.566,95.246
"LED D3": R6.2 U2.14 | length 36.2
  Top Layer w0.4: R6.2@21.291,62.606 22.566,63.881 27.341,63.881 32.641,69.181 U2.14@32.641,90.281 ; R6.2@21.841,62.606 cw(c23.169,62.606) 22.23,63.545
"LED D4": R7.2 U2.21 | length 10.3
  Top Layer w0.4: U2.21@35.641,94.881 40.291,94.881 41.291,95.881 ; 41.216,95.806 43.091,97.681 R7.2@43.516,97.681 ; 42.561,97.151 cw(c43.116,96.596) R7.2@43.116,97.381 ; 42.621,97.212 ccw(c42.152,97.681) R7.2@42.816,97.681